# KiCad board PCA20073_nRF54L15_Tiny_Board.kicad_pcb (continued)
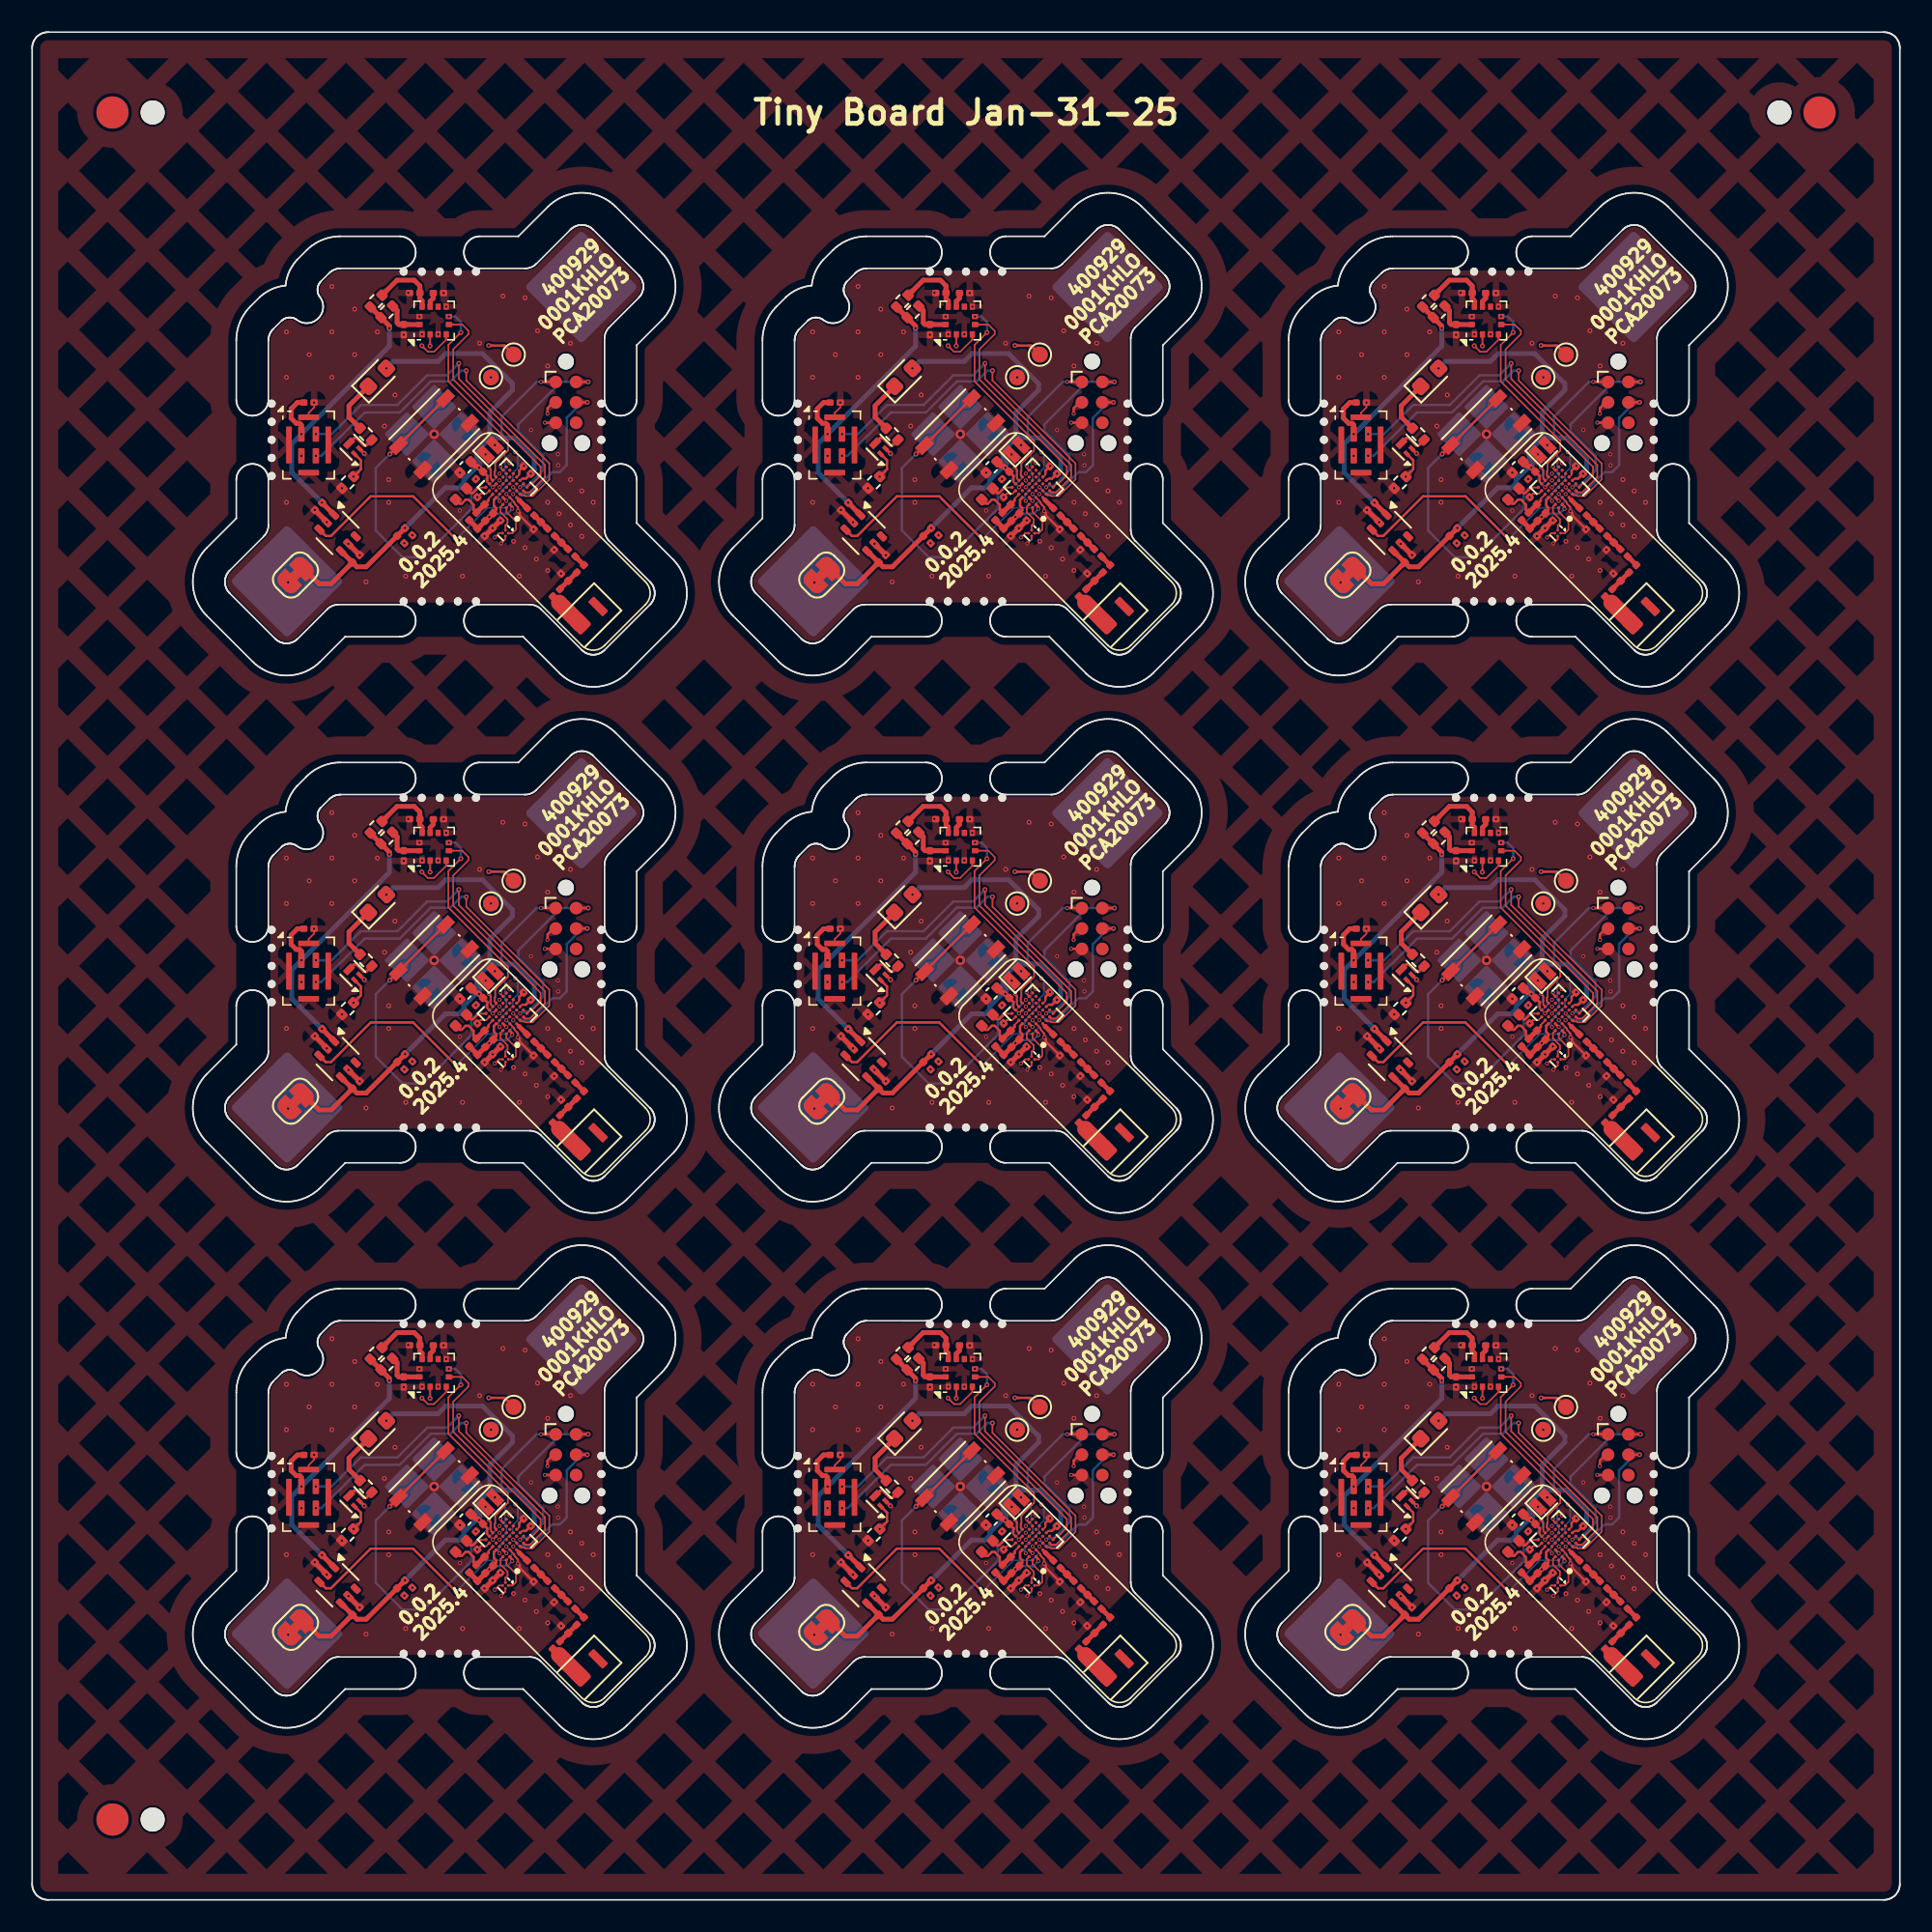
[diagram p0: board, top side]
## Copper pours and planes (outline as drawn; the poured copper is in the pictures) (continued)
Board_0-GND on Top, Bottom, In1.Cu, In2.Cu: 20.74,70.05 46.2,95.5 25.02,116.68 -0.44,91.23
Board_1-GND on Top, Bottom, In1.Cu, In2.Cu: 53.49,70.05 78.95,95.5 57.77,116.68 32.31,91.23
Board_2-GND on Top, Bottom, In1.Cu, In2.Cu: 86.24,70.05 111.7,95.5 90.52,116.68 65.06,91.23
Board_3-GND on Top, Bottom, In1.Cu, In2.Cu: 20.74,37.3 46.2,62.75 25.02,83.93 -0.44,58.48
Board_4-GND on Top, Bottom, In1.Cu, In2.Cu: 53.49,37.3 78.95,62.75 57.77,83.93 32.31,58.48
Board_5-GND on Top, Bottom, In1.Cu, In2.Cu: 86.24,37.3 111.7,62.75 90.52,83.93 65.06,58.48
Board_6-GND on Top, Bottom, In1.Cu, In2.Cu: 20.74,4.55 46.2,30.01 25.02,51.18 -0.44,25.73
Board_7-GND on Top, Bottom, In1.Cu, In2.Cu: 53.49,4.55 78.95,30.01 57.77,51.18 32.31,25.73
Board_8-GND on Top, Bottom, In1.Cu, In2.Cu: 86.24,4.55 111.7,30.01 90.52,51.18 65.06,25.73

Small or netless copper shapes (teardrops, artwork), in the pictures only: 927 on Top, 180 on Bottom, 126 on In2.Cu

## Text on the board
B.Mask: H.L. / A.H. / M.G. / G.C. / B.N. / R.B.
F.Fab: F.Silkscreen | F.Paste | F.Mask | F.Cu | Dielectric | In1.Cu | In2.Cu | B.Cu | B.Mask | B.Paste | B.Silkscreen | Top Silk Screen | Top Solder Paste | Top Solder Mask | copper | prepreg | core | Bottom Solder Mask | Bottom Solder Paste | Bottom Silk Screen | Direct Printing | Epoxy | FR4 | 0 mm | 0.01 mm | 0.035 mm | 0.1 mm | 1.24 mm | White | Blue | FR4 natural | 1 | 3.3 | 4.5 | 0 | 0.02 | Copper Layer Count: | Board overall dimensions: | Min track/spacing: | Copper Finish: | Castellated pads: | Edge card connectors: | All vias epoxy filled and capped, via-in-pad | 4 | 116.2456 mm x 116.2456 mm | 0.1000 mm / 0.0762 mm | ENIG | No | Board Thickness: | Min hole diameter: | Impedance Control: | Plated Board Edge: | 1.6000 mm | 0.1500 mm | Yes | Layer Name | Type | Material | Thickness (mm) | Color | Epsilon R | Loss Tangent | BOARD CHARACTERISTICS
F.Silkscreen: 0.0.2 / 2025.4 | 400929 / 0001KHLO / PCA20073 | Tiny Board Jan-31-25
